# EAGLE board Mk4 Final a Panel score (EAGLE 9.0.1), part 8 of 24
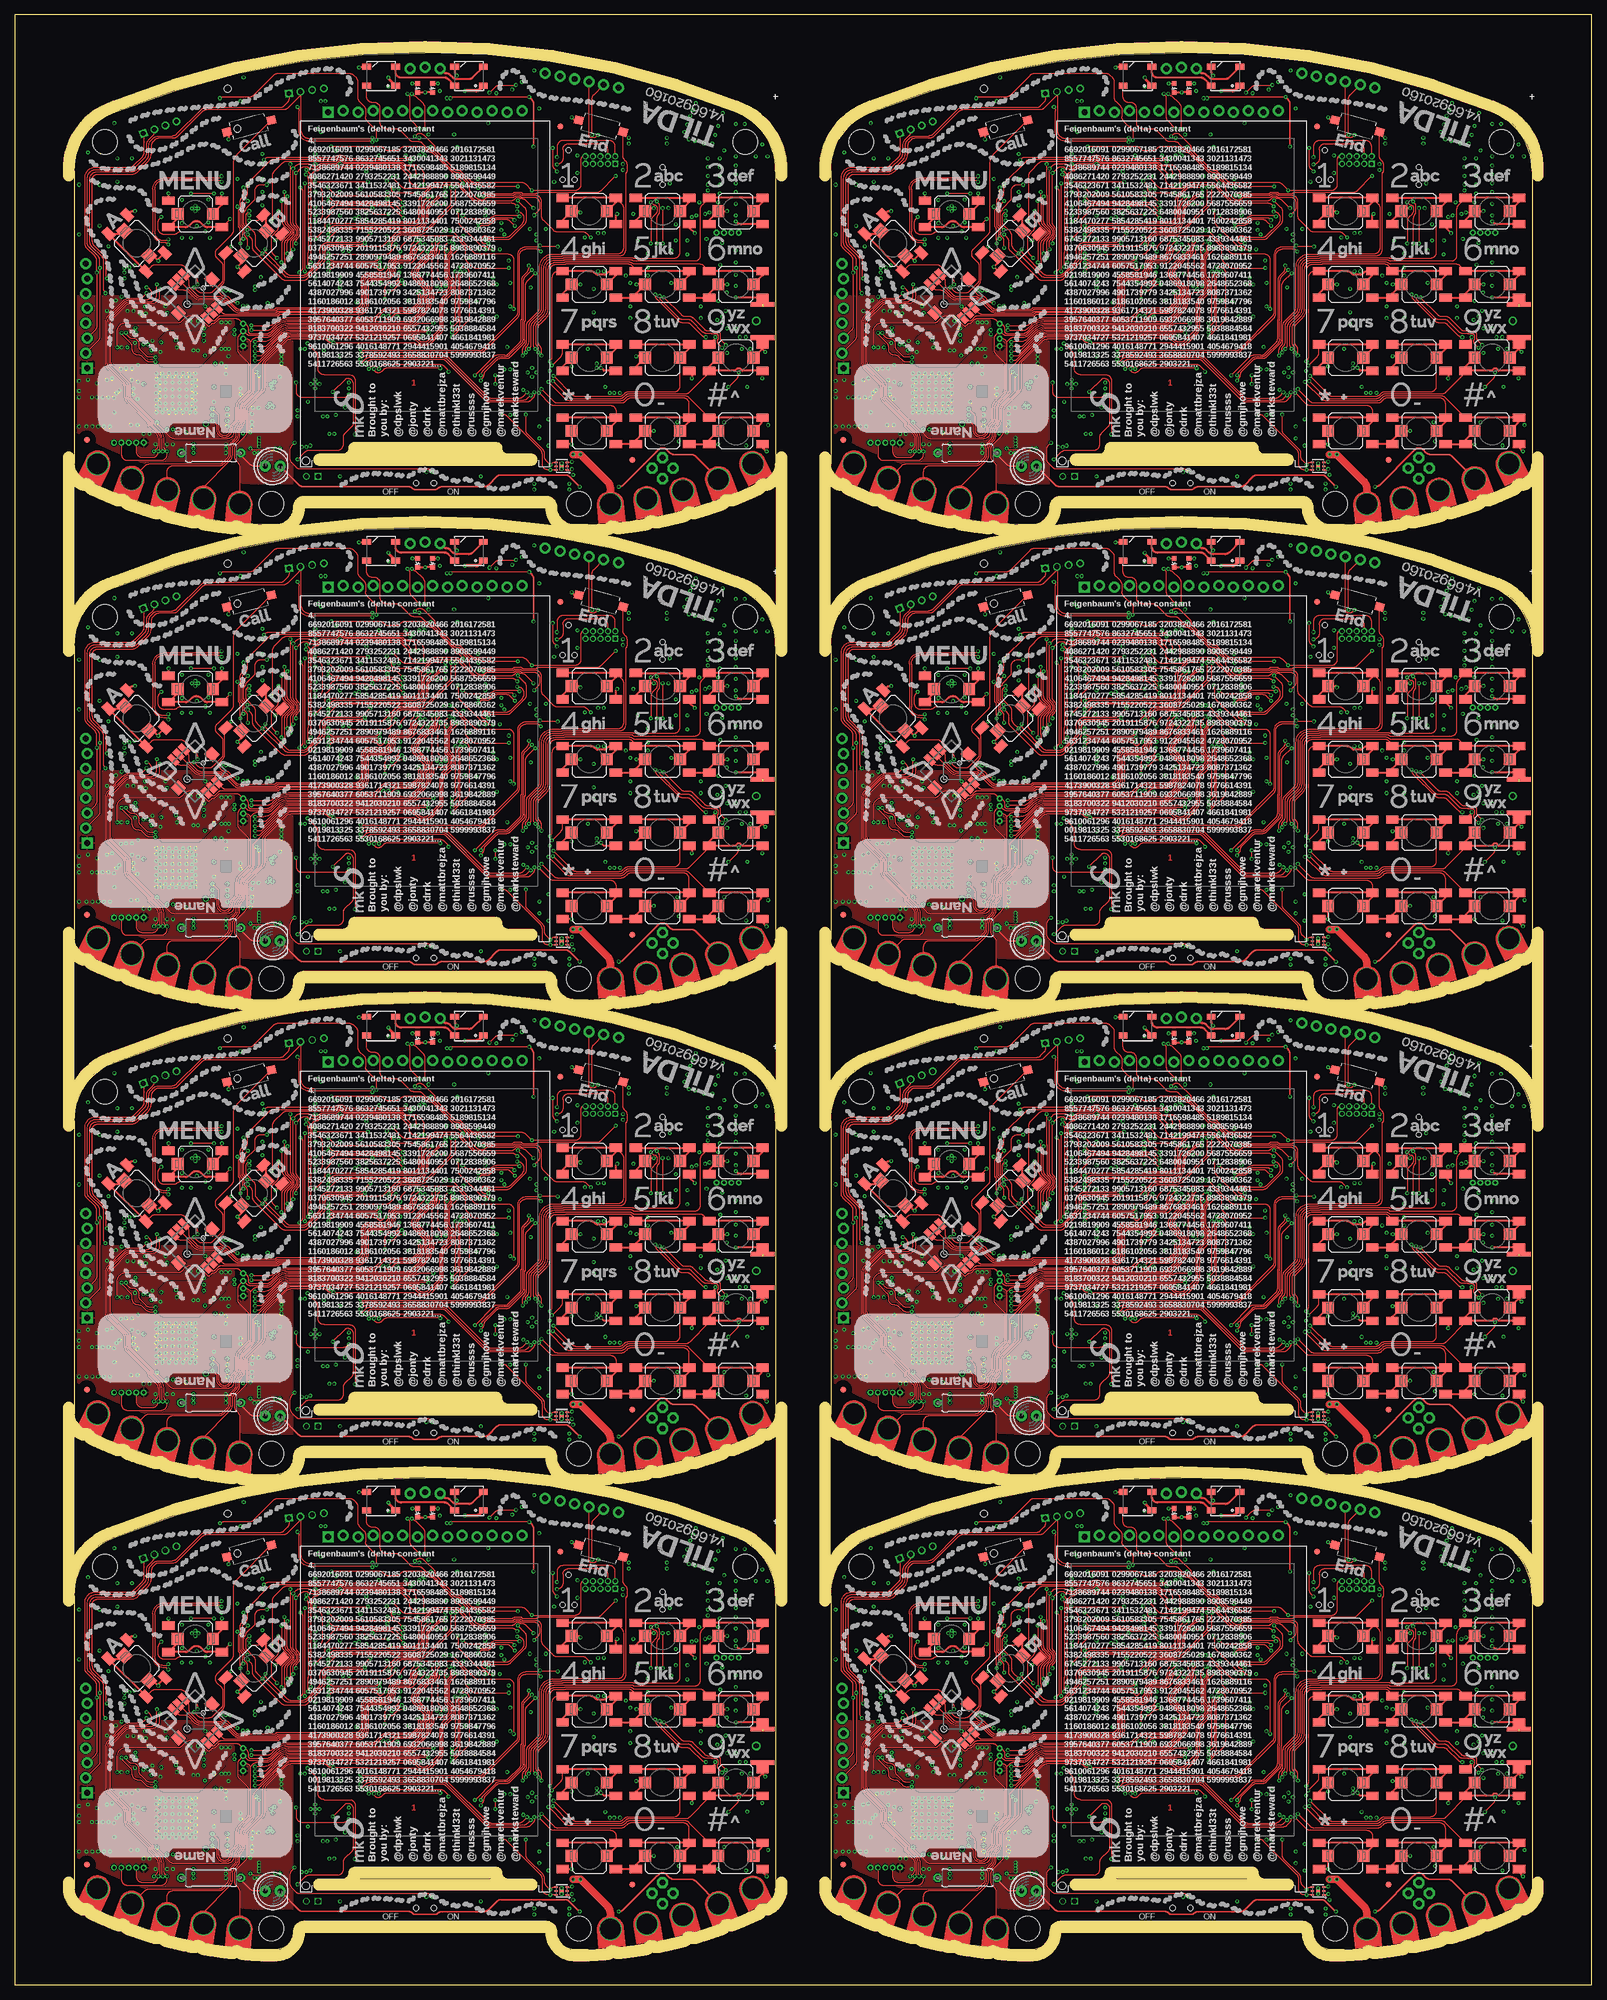
[diagram p0: board, top side]
## Tracks (layer width: path | path; a pad name or v marks a point on that pad's centre or on a via) (continued)
BT_ANT_L4 (continued)
  Bottom 0.4: L41.2 arc-10 C500.2 121.28,236.22 arc85 121,236.75 arc15 ANT10.1
BT_ANT_L5
  Bottom 0.4: L50.2 arc-10 C608.2 250.28,236.22 arc85 250,236.75 arc15 ANT12.1
BT_ANT_L6
  Bottom 0.4: L59.2 arc-10 C716.2 121.28,317.22 arc85 121,317.75 arc15 ANT14.1
BT_ANT_L7
  Bottom 0.4: L68.2 arc-10 C824.2 250.28,317.22 arc85 250,317.75 arc15 ANT16.1
BTN_1  (via drill 0.3)
  Top 0.2: S1.B2 103.61,60.69 arc-45 103.9,59.99 103.9,53.25 arc-90 102.9,52.25 93.31,52.25 93.23,52.17 91.8,52.17 arc90 89.55,49.92 89.55,43.09 arc-45 89.26,42.38 87.62,40.74 arc45 87.33,40.04 87.33,37.31 arc-45 87.03,36.61 86.94,36.52 arc45 86.65,35.81 v86.65,34.85
  Top 0.3: S1.2 102.55,61.05 S1.B2 S1.B1
  Bottom 0.15: IC4.1 87,34.42 arc45 86.94,34.56 v86.65,34.85
BTN_2  (via drill 0.3)
  Top 0.2: S2.2 113.5,52.5 arc-90 112.5,51.5 105.48,51.5 105.44,51.55 93.6,51.55 93.53,51.48 92,51.48 arc90 90.25,49.73 90.25,43.01 arc-45 89.81,41.95 88.39,40.53 arc45 88.1,39.82 88.1,36.81 arc-45 87.81,36.11 v87.7,36
  Top 0.3: S2.2 115.05,61.05 S2.B2 S2.B1
  Bottom 0.15: IC4.3 88,35.29 arc45 v87.71,35.99 v87.7,36
BTN_3  (via drill 0.3)
  Top 0.2: S3.B1 117.29,60.59 arc45 117,59.89 117,52 arc-90 116,51 105.57,51 arc-45 105.43,51.06 105.35,51.14 arc45 105.21,51.2 93.75,51.2 93.67,51.12 92.1,51.12 arc90 90.6,49.62 90.6,42.97 arc-45 90.09,41.73 88.79,40.43 arc45 88.5,39.73 88.5,36.71 arc45 v88.79,36.01 v88.8,36
  Top 0.3: S3.2 127.55,61.05 S3.B2 S3.B1
  Bottom 0.15: IC4.4 88.5,35.29 arc-45 v88.79,35.99 v88.8,36
BTN_4  (via drill 0.3)
  Top 0.2: S4.B1 92.7,49.25 arc90 91.7,48.25 91.7,37.2 91.7,37 91.7,34.71 arc-45 91.41,34.01 v91.3,33.9
  Top 0.3: S4.2 102.55,48.55 S4.B2 101.76,49.25 arc45 101.06,48.96 100.89,48.8 arc-45 100.54,48.65 99.46,48.65 arc-45 99.11,48.8 98.94,48.96 arc45 98.24,49.25 S4.B1
  Bottom 0.15: IC4.7 90.65,33.25 v91.3,33.9
BTN_5  (via drill 0.3)
  Top 0.2: S5.B1 105.95,49.55 105.29,50.21 arc45 104.59,50.5 94.03,50.5 93.96,50.42 92.35,50.42 arc90 91.35,49.42 91.35,42.93 arc-45 90.69,41.34 89.59,40.24 arc45 89.3,39.54 89.3,37.19 arc45 89.59,36.48 arc-45 89.85,35.86 v89.85,34.85
  Top 0.3: S5.2 115.05,48.55 S5.B2 S5.B1
  Bottom 0.15: IC4.6 89.5,34.29 arc-45 89.65,34.65 v89.85,34.85
BTN_6  (via drill 0.3)
  Top 0.2: S6.B1 117.49,50.21 arc45 116.79,50.5 105.58,50.5 arc-45 105.44,50.56 arc45 104.73,50.85 93.89,50.85 93.81,50.77 92.25,50.77 arc90 91,49.52 91,42.97 arc-45 90.41,41.56 89.19,40.34 arc45 88.9,39.63 88.9,37.09 arc45 89.19,36.39 arc-45 89.35,36.01 89.35,35.77 89.3,35.72 v89.3,35.4
  Top 0.3: S6.2 127.55,48.55 S6.B2 S6.B1
  Bottom 0.15: IC4.5 89,34.69 arc-45 v89.29,35.39 v89.3,35.4
BTN_7  (via drill 0.3)
  Top 0.2: v91.63,33.17 93.16,34.7 arc45 93.45,35.4 S7.B1
  Top 0.3: S7.2 102.55,36.05 S7.B2 S7.B1
  Bottom 0.15: IC4.8 90.97,32.75 91.02,32.8 arc45 91.43,32.97 v91.63,33.17
BTN_8  (via drill 0.3)
  Top 0.2: S8.2 113.5,29.7 arc-90 112.5,28.7 104.71,28.7 arc45 104.01,28.41 103.79,28.19 arc-45 103.09,27.9 97.7,27.9 95.81,27.9 arc-45 95.11,28.19 v91.9,31.4
  Top 0.3: S8.2 115.05,36.05 S8.B2 S8.B1
  Bottom 0.15: IC4.10 91.01,31.75 91.03,31.73 91.16,31.73 arc-45 91.87,31.43 v91.9,31.4
BTN_9  (via drill 0.3)
  Top 0.2: v91.8,30.5 94.46,27.84 arc45 95.16,27.55 103.23,27.55 arc45 103.94,27.84 104.1,28.01 arc-45 104.81,28.3 114.39,28.3 arc45 115.09,28.59 118.45,31.95 S9.B2
  Top 0.3: S9.2 118.45,32.95 S9.B2 122.9,32.25 123.25,32.6 123.75,32.6 124.1,32.25 S9.B1
  Bottom 0.15: IC4.11 90.64,31.25 arc-45 91.34,30.96 v91.8,30.5
BTN_10  (via drill 0.3)
  Top 0.2: S10.B2 102.55,25.4 arc90 101.55,26.4 91.91,26.4 arc-45 91.21,26.69 v89.4,28.5
  Top 0.3: S10.2 102.55,23.55 S10.B2 S10.B1
  Bottom 0.15: IC4.14 89,29.31 arc45 89.15,28.95 89.26,28.84 arc-45 v89.4,28.5
BTN_11  (via drill 0.3)
  Top 0.2: S11.B2 115.05,26.6 arc90 114.05,27.6 105.11,27.6 arc45 104.41,27.31 104.19,27.09 arc-45 103.49,26.8 92.61,26.8 arc-45 91.91,27.09 v89.85,29.15
  Top 0.3: S11.2 115.05,23.55 S11.B2 S11.B1 | S11.B1 105.75,24.25 105.5,24 105.7,24 S11.B1
  Bottom 0.15: IC4.13 89.5,29.5 v89.85,29.15
BTN_12  (via drill 0.3)
  Top 0.2: S12.B1 115.04,27.66 arc45 114.34,27.95 104.95,27.95 arc45 104.25,27.66 104.08,27.49 arc-45 103.38,27.2 94.61,27.2 arc-45 93.91,27.49 v91.05,30.35
  Top 0.3: S12.2 127.26,23.26 arc45 127.55,23.96 S12.B2 S12.B1
  Bottom 0.15: IC4.12 90.65,30.75 v91.05,30.35
BTN_13  (via drill 0.3)
  Top 0.2: S21.B2 232.61,60.69 arc-45 232.9,59.99 232.9,53.25 arc-90 231.9,52.25 222.31,52.25 222.24,52.17 220.8,52.17 arc90 218.55,49.92 218.55,43.09 arc-45 218.26,42.38 216.62,40.74 arc45 216.32,40.04 216.32,37.31 arc-45 216.03,36.61 215.94,36.52 arc45 215.65,35.81 v215.65,34.85
  Top 0.3: S21.2 231.55,61.05 S21.B2 S21.B1
  Bottom 0.15: IC31.1 216,34.42 arc45 215.94,34.56 v215.65,34.85
BTN_14  (via drill 0.3)
  Top 0.2: S26.2 242.5,52.5 arc-90 241.5,51.5 234.49,51.5 234.44,51.55 222.6,51.55 222.53,51.48 221,51.48 arc90 219.25,49.73 219.25,43.01 arc-45 218.81,41.95 217.39,40.53 arc45 217.1,39.82 217.1,36.81 arc-45 216.81,36.11 v216.7,36
  Top 0.3: S26.2 244.05,61.05 S26.B2 S26.B1
  Bottom 0.15: IC31.3 217,35.29 arc45 v216.71,35.99 v216.7,36
BTN_15  (via drill 0.3)
  Top 0.2: S30.B1 246.29,60.59 arc45 246,59.89 246,52 arc-90 245,51 234.57,51 arc-45 234.43,51.06 234.35,51.14 arc45 234.21,51.2 222.75,51.2 222.67,51.12 221.1,51.12 arc90 219.6,49.62 219.6,42.97 arc-45 219.09,41.73 217.79,40.43 arc45 217.5,39.73 217.5,36.71 arc45 v217.79,36.01 v217.8,36
  Top 0.3: S30.2 256.55,61.05 S30.B2 S30.B1
  Bottom 0.15: IC31.4 217.5,35.29 arc-45 v217.79,35.99 v217.8,36
BTN_16  (via drill 0.3)
  Top 0.2: S25.B2 231.55,25.4 arc90 230.55,26.4 220.91,26.4 arc-45 220.21,26.69 v218.4,28.5
  Top 0.3: S25.2 231.55,23.55 S25.B2 S25.B1
  Bottom 0.15: IC31.14 218,29.31 arc45 218.15,28.95 218.26,28.84 arc-45 v218.4,28.5
BTN_17  (via drill 0.3)
  Top 0.2: S27.B1 234.95,49.55 234.29,50.21 arc45 233.59,50.5 223.03,50.5 222.96,50.42 221.35,50.42 arc90 220.35,49.42 220.35,42.93 arc-45 219.69,41.34 218.59,40.24 arc45 218.3,39.54 218.3,37.19 arc45 218.59,36.48 arc-45 218.85,35.86 v218.85,34.85
  Top 0.3: S27.2 244.05,48.55 S27.B2 S27.B1
  Bottom 0.15: IC31.6 218.5,34.29 arc-45 218.65,34.65 v218.85,34.85
BTN_18  (via drill 0.3)
  Top 0.2: S28.2 242.5,29.7 arc-90 241.5,28.7 233.71,28.7 arc45 233.01,28.41 232.79,28.19 arc-45 232.09,27.9 226.7,27.9 224.81,27.9 arc-45 224.11,28.19 v220.9,31.4
  Top 0.3: S28.2 244.05,36.05 S28.B2 S28.B1
  Bottom 0.15: IC31.10 220.01,31.75 220.03,31.73 220.16,31.73 arc-45 220.87,31.43 v220.9,31.4
BTN_19  (via drill 0.3)
  Top 0.2: S29.B2 244.05,26.6 arc90 243.05,27.6 234.11,27.6 arc45 233.41,27.31 233.19,27.09 arc-45 232.49,26.8 221.61,26.8 arc-45 220.91,27.09 v218.85,29.15
  Top 0.3: S29.2 244.05,23.55 S29.B2 S29.B1 | S29.B1 234.75,24.25 234.5,24 234.7,24 S29.B1
  Bottom 0.15: IC31.13 218.5,29.5 v218.85,29.15
BTN_20  (via drill 0.3)
  Top 0.2: S31.B1 246.49,50.21 arc45 245.79,50.5 234.58,50.5 arc-45 234.44,50.56 arc45 233.73,50.85 222.89,50.85 222.81,50.77 221.25,50.77 arc90 220,49.52 220,42.97 arc-45 219.41,41.56 218.19,40.34 arc45 217.9,39.63 217.9,37.09 arc45 218.19,36.39 arc-45 218.35,36.01 218.35,35.77 218.3,35.72 v218.3,35.4
  Top 0.3: S31.2 256.55,48.55 S31.B2 S31.B1
  Bottom 0.15: IC31.5 218,34.69 arc-45 v218.29,35.39 v218.3,35.4
BTN_21  (via drill 0.3)
  Top 0.2: v220.8,30.5 223.46,27.84 arc45 224.16,27.55 232.23,27.55 arc45 232.94,27.84 233.1,28.01 arc-45 233.81,28.3 243.39,28.3 arc45 244.09,28.59 247.45,31.95 S32.B2
  Top 0.3: S32.2 247.45,32.95 S32.B2 251.9,32.25 252.25,32.6 252.75,32.6 253.1,32.25 S32.B1
  Bottom 0.15: IC31.11 219.64,31.25 arc-45 220.34,30.96 v220.8,30.5
BTN_22  (via drill 0.3)
  Top 0.2: S33.B1 244.04,27.66 arc45 243.34,27.95 233.95,27.95 arc45 233.25,27.66 233.08,27.49 arc-45 232.38,27.2 223.61,27.2 arc-45 222.91,27.49 v220.05,30.35
  Top 0.3: S33.2 256.26,23.26 arc45 256.55,23.96 S33.B2 S33.B1
  Bottom 0.15: IC31.12 219.65,30.75 v220.05,30.35
BTN_23  (via drill 0.3)
  Top 0.2: S23.B1 221.7,49.25 arc90 220.7,48.25 220.7,37.2 220.7,37 220.7,34.71 arc-45 220.41,34.01 v220.3,33.9
  Top 0.3: S23.2 231.55,48.55 S23.B2 230.76,49.25 arc45 230.06,48.96 229.9,48.8 arc-45 229.54,48.65 228.46,48.65 arc-45 228.1,48.8 227.94,48.96 arc45 227.24,49.25 S23.B1
  Bottom 0.15: IC31.7 219.65,33.25 v220.3,33.9
BTN_24  (via drill 0.3)
  Top 0.2: v220.63,33.17 222.16,34.7 arc45 222.45,35.4 S24.B1
  Top 0.3: S24.2 231.55,36.05 S24.B2 S24.B1
  Bottom 0.15: IC31.8 219.97,32.75 220.02,32.8 arc45 220.43,32.97 v220.63,33.17
BTN_25  (via drill 0.3)
  Top 0.2: S43.B2 103.61,141.69 arc-45 103.9,140.99 103.9,134.25 arc-90 102.9,133.25 93.31,133.25 93.23,133.18 91.8,133.18 arc90 89.55,130.93 89.55,124.09 arc-45 89.26,123.38 87.62,121.74 arc45 87.33,121.04 87.33,118.31 arc-45 87.03,117.61 86.94,117.52 arc45 86.65,116.81 v86.65,115.85
  Top 0.3: S43.2 102.55,142.05 S43.B2 S43.B1
  Bottom 0.15: IC49.1 87,115.42 arc45 86.94,115.56 v86.65,115.85
BTN_26  (via drill 0.3)
  Top 0.2: S47.2 113.5,133.5 arc-90 112.5,132.5 105.48,132.5 105.44,132.55 93.6,132.55 93.53,132.47 92,132.47 arc90 90.25,130.72 90.25,124.01 arc-45 89.81,122.95 88.39,121.53 arc45 88.1,120.82 88.1,117.81 arc-45 87.81,117.11 v87.7,117
  Top 0.3: S47.2 115.05,142.05 S47.B2 S47.B1
  Bottom 0.15: IC49.3 88,116.29 arc45 v87.71,116.99 v87.7,117
BTN_27  (via drill 0.3)
  Top 0.2: S51.B1 117.29,141.59 arc45 117,140.89 117,133 arc-90 116,132 105.57,132 arc-45 105.43,132.06 105.35,132.14 arc45 105.21,132.2 93.75,132.2 93.67,132.12 92.1,132.12 arc90 90.6,130.62 90.6,123.97 arc-45 90.09,122.73 88.79,121.43 arc45 88.5,120.73 88.5,117.71 arc45 v88.79,117.01 v88.8,117
  Top 0.3: S51.2 127.55,142.05 S51.B2 S51.B1
  Bottom 0.15: IC49.4 88.5,116.29 arc-45 v88.79,116.99 v88.8,117
BTN_28  (via drill 0.3)
  Top 0.2: S46.B2 102.55,106.4 arc90 101.55,107.4 91.91,107.4 arc-45 91.21,107.69 v89.4,109.5
  Top 0.3: S46.2 102.55,104.55 S46.B2 S46.B1
  Bottom 0.15: IC49.14 89,110.31 arc45 89.15,109.95 89.26,109.84 arc-45 v89.4,109.5
BTN_29  (via drill 0.3)
  Top 0.2: S48.B1 105.95,130.55 105.29,131.21 arc45 104.59,131.5 94.03,131.5 93.96,131.43 92.35,131.43 arc90 91.35,130.43 91.35,123.93 arc-45 90.69,122.34 89.59,121.24 arc45 89.3,120.54 89.3,118.19 arc45 89.59,117.48 arc-45 89.85,116.86 v89.85,115.85
  Top 0.3: S48.2 115.05,129.55 S48.B2 S48.B1
  Bottom 0.15: IC49.6 89.5,115.29 arc-45 89.65,115.65 v89.85,115.85
BTN_30  (via drill 0.3)
  Top 0.2: S49.2 113.5,110.7 arc-90 112.5,109.7 104.71,109.7 arc45 104.01,109.41 103.79,109.19 arc-45 103.09,108.9 97.7,108.9 95.81,108.9 arc-45 95.11,109.19 v91.9,112.4
  Top 0.3: S49.2 115.05,117.05 S49.B2 S49.B1
  Bottom 0.15: IC49.10 91.01,112.75 91.03,112.72 91.16,112.72 arc-45 91.87,112.43 v91.9,112.4
BTN_31  (via drill 0.3)
  Top 0.2: S50.B2 115.05,107.6 arc90 114.05,108.6 105.11,108.6 arc45 104.41,108.31 104.19,108.09 arc-45 103.49,107.8 92.61,107.8 arc-45 91.91,108.09 v89.85,110.15
  Top 0.3: S50.2 115.05,104.55 S50.B2 S50.B1 | S50.B1 105.75,105.25 105.5,105 105.7,105 S50.B1
  Bottom 0.15: IC49.13 89.5,110.5 v89.85,110.15
BTN_32  (via drill 0.3)
  Top 0.2: S52.B1 117.49,131.21 arc45 116.79,131.5 105.58,131.5 arc-45 105.44,131.56 arc45 104.73,131.85 93.89,131.85 93.81,131.78 92.25,131.78 arc90 91,130.53 91,123.97 arc-45 90.41,122.56 89.19,121.34 arc45 88.9,120.63 88.9,118.09 arc45 89.19,117.39 arc-45 89.35,117.01 89.35,116.77 89.3,116.72 v89.3,116.4
  Top 0.3: S52.2 127.55,129.55 S52.B2 S52.B1
  Bottom 0.15: IC49.5 89,115.69 arc-45 v89.29,116.39 v89.3,116.4
BTN_33  (via drill 0.3)
  Top 0.2: v91.8,111.5 94.46,108.84 arc45 95.16,108.55 103.23,108.55 arc45 103.94,108.84 104.1,109.01 arc-45 104.81,109.3 114.39,109.3 arc45 115.09,109.59 118.45,112.95 S53.B2
  Top 0.3: S53.2 118.45,113.95 S53.B2 122.9,113.25 123.25,113.6 123.75,113.6 124.1,113.25 S53.B1
  Bottom 0.15: IC49.11 90.64,112.25 arc-45 91.34,111.96 v91.8,111.5
BTN_34  (via drill 0.3)
  Top 0.2: S54.B1 115.04,108.66 arc45 114.34,108.95 104.95,108.95 arc45 104.25,108.66 104.08,108.49 arc-45 103.38,108.2 94.61,108.2 arc-45 93.91,108.49 v91.05,111.35
  Top 0.3: S54.2 127.26,104.26 arc45 127.55,104.96 S54.B2 S54.B1
  Bottom 0.15: IC49.12 90.65,111.75 v91.05,111.35
BTN_35  (via drill 0.3)
  Top 0.2: S44.B1 92.7,130.25 arc90 91.7,129.25 91.7,118.2 91.7,118 91.7,115.71 arc-45 91.41,115.01 v91.3,114.9
  Top 0.3: S44.2 102.55,129.55 S44.B2 101.76,130.25 arc45 101.06,129.96 100.89,129.8 arc-45 100.54,129.65 99.46,129.65 arc-45 99.11,129.8 98.94,129.96 arc45 98.24,130.25 S44.B1
  Bottom 0.15: IC49.7 90.65,114.25 v91.3,114.9
BTN_36  (via drill 0.3)
  Top 0.2: v91.63,114.17 93.16,115.7 arc45 93.45,116.4 S45.B1
  Top 0.3: S45.2 102.55,117.05 S45.B2 S45.B1
  Bottom 0.15: IC49.8 90.97,113.75 91.02,113.8 arc45 91.43,113.97 v91.63,114.17
BTN_37  (via drill 0.3)
  Top 0.2: S64.B2 232.61,141.69 arc-45 232.9,140.99 232.9,134.25 arc-90 231.9,133.25 222.31,133.25 222.24,133.18 220.8,133.18 arc90 218.55,130.93 218.55,124.09 arc-45 218.26,123.38 216.62,121.74 arc45 216.32,121.04 216.32,118.31 arc-45 216.03,117.61 215.94,117.52 arc45 215.65,116.81 v215.65,115.85
  Top 0.3: S64.2 231.55,142.05 S64.B2 S64.B1
  Bottom 0.15: IC67.1 216,115.42 arc45 215.94,115.56 v215.65,115.85
BTN_38  (via drill 0.3)
  Top 0.2: S68.2 242.5,133.5 arc-90 241.5,132.5 234.49,132.5 234.44,132.55 222.6,132.55 222.53,132.47 221,132.47 arc90 219.25,130.72 219.25,124.01 arc-45 218.81,122.95 217.39,121.53 arc45 217.1,120.82 217.1,117.81 arc-45 216.81,117.11 v216.7,117
  Top 0.3: S68.2 244.05,142.05 S68.B2 S68.B1
  Bottom 0.15: IC67.3 217,116.29 arc45 v216.71,116.99 v216.7,117
BTN_39  (via drill 0.3)
  Top 0.2: S72.B1 246.29,141.59 arc45 246,140.89 246,133 arc-90 245,132 234.57,132 arc-45 234.43,132.06 234.35,132.14 arc45 234.21,132.2 222.75,132.2 222.67,132.12 221.1,132.12 arc90 219.6,130.62 219.6,123.97 arc-45 219.09,122.73 217.79,121.43 arc45 217.5,120.73 217.5,117.71 arc45 v217.79,117.01 v217.8,117
  Top 0.3: S72.2 256.55,142.05 S72.B2 S72.B1
  Bottom 0.15: IC67.4 217.5,116.29 arc-45 v217.79,116.99 v217.8,117
BTN_40  (via drill 0.3)
  Top 0.2: S67.B2 231.55,106.4 arc90 230.55,107.4 220.91,107.4 arc-45 220.21,107.69 v218.4,109.5
  Top 0.3: S67.2 231.55,104.55 S67.B2 S67.B1
  Bottom 0.15: IC67.14 218,110.31 arc45 218.15,109.95 218.26,109.84 arc-45 v218.4,109.5
BTN_41  (via drill 0.3)
  Top 0.2: S69.B1 234.95,130.55 234.29,131.21 arc45 233.59,131.5 223.03,131.5 222.96,131.43 221.35,131.43 arc90 220.35,130.43 220.35,123.93 arc-45 219.69,122.34 218.59,121.24 arc45 218.3,120.54 218.3,118.19 arc45 218.59,117.48 arc-45 218.85,116.86 v218.85,115.85
  Top 0.3: S69.2 244.05,129.55 S69.B2 S69.B1
  Bottom 0.15: IC67.6 218.5,115.29 arc-45 218.65,115.65 v218.85,115.85
BTN_42  (via drill 0.3)
  Top 0.2: S70.2 242.5,110.7 arc-90 241.5,109.7 233.71,109.7 arc45 233.01,109.41 232.79,109.19 arc-45 232.09,108.9 226.7,108.9 224.81,108.9 arc-45 224.11,109.19 v220.9,112.4
  Top 0.3: S70.2 244.05,117.05 S70.B2 S70.B1
  Bottom 0.15: IC67.10 220.01,112.75 220.03,112.72 220.16,112.72 arc-45 220.87,112.43 v220.9,112.4
BTN_43  (via drill 0.3)
  Top 0.2: S71.B2 244.05,107.6 arc90 243.05,108.6 234.11,108.6 arc45 233.41,108.31 233.19,108.09 arc-45 232.49,107.8 221.61,107.8 arc-45 220.91,108.09 v218.85,110.15
  Top 0.3: S71.2 244.05,104.55 S71.B2 S71.B1 | S71.B1 234.75,105.25 234.5,105 234.7,105 S71.B1
  Bottom 0.15: IC67.13 218.5,110.5 v218.85,110.15
BTN_44  (via drill 0.3)
  Top 0.2: S73.B1 246.49,131.21 arc45 245.79,131.5 234.58,131.5 arc-45 234.44,131.56 arc45 233.73,131.85 222.89,131.85 222.81,131.78 221.25,131.78 arc90 220,130.53 220,123.97 arc-45 219.41,122.56 218.19,121.34 arc45 217.9,120.63 217.9,118.09 arc45 218.19,117.39 arc-45 218.35,117.01 218.35,116.77 218.3,116.72 v218.3,116.4
  Top 0.3: S73.2 256.55,129.55 S73.B2 S73.B1
  Bottom 0.15: IC67.5 218,115.69 arc-45 v218.29,116.39 v218.3,116.4
BTN_45  (via drill 0.3)
  Top 0.2: v220.8,111.5 223.46,108.84 arc45 224.16,108.55 232.23,108.55 arc45 232.94,108.84 233.1,109.01 arc-45 233.81,109.3 243.39,109.3 arc45 244.09,109.59 247.45,112.95 S74.B2
  Top 0.3: S74.2 247.45,113.95 S74.B2 251.9,113.25 252.25,113.6 252.75,113.6 253.1,113.25 S74.B1
  Bottom 0.15: IC67.11 219.64,112.25 arc-45 220.34,111.96 v220.8,111.5
BTN_46  (via drill 0.3)
  Top 0.2: S75.B1 244.04,108.66 arc45 243.34,108.95 233.95,108.95 arc45 233.25,108.66 233.08,108.49 arc-45 232.38,108.2 223.61,108.2 arc-45 222.91,108.49 v220.05,111.35
  Top 0.3: S75.2 256.26,104.26 arc45 256.55,104.96 S75.B2 S75.B1
  Bottom 0.15: IC67.12 219.65,111.75 v220.05,111.35
BTN_47  (via drill 0.3)
  Top 0.2: S65.B1 221.7,130.25 arc90 220.7,129.25 220.7,118.2 220.7,118 220.7,115.71 arc-45 220.41,115.01 v220.3,114.9
  Top 0.3: S65.2 231.55,129.55 S65.B2 230.76,130.25 arc45 230.06,129.96 229.9,129.8 arc-45 229.54,129.65 228.46,129.65 arc-45 228.1,129.8 227.94,129.96 arc45 227.24,130.25 S65.B1
  Bottom 0.15: IC67.7 219.65,114.25 v220.3,114.9
BTN_48  (via drill 0.3)
  Top 0.2: v220.63,114.17 222.16,115.7 arc45 222.45,116.4 S66.B1
  Top 0.3: S66.2 231.55,117.05 S66.B2 S66.B1
  Bottom 0.15: IC67.8 219.97,113.75 220.02,113.8 arc45 220.43,113.97 v220.63,114.17
BTN_49  (via drill 0.3)
  Top 0.2: S85.B2 103.61,222.69 arc-45 103.9,221.99 103.9,215.25 arc-90 102.9,214.25 93.31,214.25 93.23,214.18 91.8,214.18 arc90 89.55,211.93 89.55,205.09 arc-45 89.26,204.38 87.62,202.74 arc45 87.33,202.04 87.33,199.31 arc-45 87.03,198.6 86.94,198.52 arc45 86.65,197.81 v86.65,196.85
  Top 0.3: S85.2 102.55,223.05 S85.B2 S85.B1
  Bottom 0.15: IC85.1 87,196.42 arc45 86.94,196.56 v86.65,196.85
BTN_50  (via drill 0.3)
  Top 0.2: S89.2 113.5,214.5 arc-90 112.5,213.5 105.48,213.5 105.44,213.55 93.6,213.55 93.53,213.47 92,213.47 arc90 90.25,211.72 90.25,205.01 arc-45 89.81,203.95 88.39,202.53 arc45 88.1,201.82 88.1,198.81 arc-45 87.81,198.11 v87.7,198
  Top 0.3: S89.2 115.05,223.05 S89.B2 S89.B1
  Bottom 0.15: IC85.3 88,197.29 arc45 v87.71,197.99 v87.7,198
BTN_51  (via drill 0.3)
  Top 0.2: S93.B1 117.29,222.59 arc45 117,221.89 117,214 arc-90 116,213 105.57,213 arc-45 105.43,213.06 105.35,213.14 arc45 105.21,213.2 93.75,213.2 93.67,213.12 92.1,213.12 arc90 90.6,211.62 90.6,204.97 arc-45 90.09,203.73 88.79,202.43 arc45 88.5,201.73 88.5,198.71 arc45 v88.79,198.01 v88.8,198
  Top 0.3: S93.2 127.55,223.05 S93.B2 S93.B1
  Bottom 0.15: IC85.4 88.5,197.29 arc-45 v88.79,197.99 v88.8,198
BTN_52  (via drill 0.3)
  Top 0.2: S88.B2 102.55,187.4 arc90 101.55,188.4 91.91,188.4 arc-45 91.21,188.69 v89.4,190.5
  Top 0.3: S88.2 102.55,185.55 S88.B2 S88.B1
  Bottom 0.15: IC85.14 89,191.31 arc45 89.15,190.95 89.26,190.84 arc-45 v89.4,190.5
BTN_53  (via drill 0.3)
  Top 0.2: S90.B1 105.95,211.55 105.29,212.21 arc45 104.59,212.5 94.03,212.5 93.96,212.43 92.35,212.43 arc90 91.35,211.43 91.35,204.93 arc-45 90.69,203.34 89.59,202.24 arc45 89.3,201.54 89.3,199.19 arc45 89.59,198.48 arc-45 89.85,197.86 v89.85,196.85
  Top 0.3: S90.2 115.05,210.55 S90.B2 S90.B1
  Bottom 0.15: IC85.6 89.5,196.29 arc-45 89.65,196.65 v89.85,196.85
BTN_54  (via drill 0.3)
  Top 0.2: S91.2 113.5,191.7 arc-90 112.5,190.7 104.71,190.7 arc45 104.01,190.41 103.79,190.19 arc-45 103.09,189.9 97.7,189.9 95.81,189.9 arc-45 95.11,190.19 v91.9,193.4
  Top 0.3: S91.2 115.05,198.05 S91.B2 S91.B1
  Bottom 0.15: IC85.10 91.01,193.75 91.03,193.72 91.16,193.72 arc-45 91.87,193.43 v91.9,193.4
BTN_55  (via drill 0.3)
  Top 0.2: S92.B2 115.05,188.6 arc90 114.05,189.6 105.11,189.6 arc45 104.41,189.31 104.19,189.09 arc-45 103.49,188.8 92.61,188.8 arc-45 91.91,189.09 v89.85,191.15
  Top 0.3: S92.2 115.05,185.55 S92.B2 S92.B1 | S92.B1 105.75,186.25 105.5,186 105.7,186 S92.B1
  Bottom 0.15: IC85.13 89.5,191.5 v89.85,191.15
BTN_56  (via drill 0.3)
  Top 0.2: S94.B1 117.49,212.21 arc45 116.79,212.5 105.58,212.5 arc-45 105.44,212.56 arc45 104.73,212.85 93.89,212.85 93.81,212.78 92.25,212.78 arc90 91,211.53 91,204.97 arc-45 90.41,203.56 89.19,202.34 arc45 88.9,201.63 88.9,199.09 arc45 89.19,198.38 arc-45 89.35,198.01 89.35,197.77 89.3,197.72 v89.3,197.4
  Top 0.3: S94.2 127.55,210.55 S94.B2 S94.B1
  Bottom 0.15: IC85.5 89,196.69 arc-45 v89.29,197.39 v89.3,197.4
BTN_57  (via drill 0.3)
  Top 0.2: v91.8,192.5 94.46,189.84 arc45 95.16,189.55 103.23,189.55 arc45 103.94,189.84 104.1,190.01 arc-45 104.81,190.3 114.39,190.3 arc45 115.09,190.59 118.45,193.95 S95.B2
  Top 0.3: S95.2 118.45,194.95 S95.B2 122.9,194.25 123.25,194.6 123.75,194.6 124.1,194.25 S95.B1
  Bottom 0.15: IC85.11 90.64,193.25 arc-45 91.34,192.96 v91.8,192.5
BTN_58  (via drill 0.3)
  Top 0.2: S96.B1 115.04,189.66 arc45 114.34,189.95 104.95,189.95 arc45 104.25,189.66 104.08,189.49 arc-45 103.38,189.2 94.61,189.2 arc-45 93.91,189.49 v91.05,192.35
  Top 0.3: S96.2 127.26,185.26 arc45 127.55,185.96 S96.B2 S96.B1
  Bottom 0.15: IC85.12 90.65,192.75 v91.05,192.35
BTN_59  (via drill 0.3)
  Top 0.2: S86.B1 92.7,211.25 arc90 91.7,210.25 91.7,199.2 91.7,199 91.7,196.71 arc-45 91.41,196.01 v91.3,195.9
  Top 0.3: S86.2 102.55,210.55 S86.B2 101.76,211.25 arc45 101.06,210.96 100.89,210.8 arc-45 100.54,210.65 99.46,210.65 arc-45 99.11,210.8 98.94,210.96 arc45 98.24,211.25 S86.B1
  Bottom 0.15: IC85.7 90.65,195.25 v91.3,195.9
BTN_60  (via drill 0.3)
  Top 0.2: v91.63,195.17 93.16,196.7 arc45 93.45,197.4 S87.B1
  Top 0.3: S87.2 102.55,198.05 S87.B2 S87.B1
  Bottom 0.15: IC85.8 90.97,194.75 91.02,194.8 arc45 91.43,194.97 v91.63,195.17
BTN_61  (via drill 0.3)
  Top 0.2: S106.B2 232.61,222.69 arc-45 232.9,221.99 232.9,215.25 arc-90 231.9,214.25 222.31,214.25 222.24,214.18 220.8,214.18 arc90 218.55,211.93 218.55,205.09 arc-45 218.26,204.38 216.62,202.74 arc45 216.32,202.04 216.32,199.31 arc-45 216.03,198.6 215.94,198.52 arc45 215.65,197.81 v215.65,196.85
  Top 0.3: S106.2 231.55,223.05 S106.B2 S106.B1
  Bottom 0.15: IC103.1 216,196.42 arc45 215.94,196.56 v215.65,196.85
BTN_62  (via drill 0.3)
  Top 0.2: S110.2 242.5,214.5 arc-90 241.5,213.5 234.49,213.5 234.44,213.55 222.6,213.55 222.53,213.47 221,213.47 arc90 219.25,211.72 219.25,205.01 arc-45 218.81,203.95 217.39,202.53 arc45 217.1,201.82 217.1,198.81 arc-45 216.81,198.11 v216.7,198
  Top 0.3: S110.2 244.05,223.05 S110.B2 S110.B1
  Bottom 0.15: IC103.3 217,197.29 arc45 v216.71,197.99 v216.7,198
BTN_63  (via drill 0.3)
  Top 0.2: S114.B1 246.29,222.59 arc45 246,221.89 246,214 arc-90 245,213 234.57,213 arc-45 234.43,213.06 234.35,213.14 arc45 234.21,213.2 222.75,213.2 222.67,213.12 221.1,213.12 arc90 219.6,211.62 219.6,204.97 arc-45 219.09,203.73 217.79,202.43 arc45 217.5,201.73 217.5,198.71 arc45 v217.79,198.01 v217.8,198
  Top 0.3: S114.2 256.55,223.05 S114.B2 S114.B1
  Bottom 0.15: IC103.4 217.5,197.29 arc-45 v217.79,197.99 v217.8,198
BTN_64  (via drill 0.3)
  Top 0.2: S109.B2 231.55,187.4 arc90 230.55,188.4 220.91,188.4 arc-45 220.21,188.69 v218.4,190.5
  Top 0.3: S109.2 231.55,185.55 S109.B2 S109.B1
  Bottom 0.15: IC103.14 218,191.31 arc45 218.15,190.95 218.26,190.84 arc-45 v218.4,190.5
BTN_65  (via drill 0.3)
  Top 0.2: S111.B1 234.95,211.55 234.29,212.21 arc45 233.59,212.5 223.03,212.5 222.96,212.43 221.35,212.43 arc90 220.35,211.43 220.35,204.93 arc-45 219.69,203.34 218.59,202.24 arc45 218.3,201.54 218.3,199.19 arc45 218.59,198.48 arc-45 218.85,197.86 v218.85,196.85
  Top 0.3: S111.2 244.05,210.55 S111.B2 S111.B1
  Bottom 0.15: IC103.6 218.5,196.29 arc-45 218.65,196.65 v218.85,196.85
BTN_66  (via drill 0.3)
  Top 0.2: S112.2 242.5,191.7 arc-90 241.5,190.7 233.71,190.7 arc45 233.01,190.41 232.79,190.19 arc-45 232.09,189.9 226.7,189.9 224.81,189.9 arc-45 224.11,190.19 v220.9,193.4
  Top 0.3: S112.2 244.05,198.05 S112.B2 S112.B1
  Bottom 0.15: IC103.10 220.01,193.75 220.03,193.72 220.16,193.72 arc-45 220.87,193.43 v220.9,193.4
BTN_67  (via drill 0.3)
  Top 0.2: S113.B2 244.05,188.6 arc90 243.05,189.6 234.11,189.6 arc45 233.41,189.31 233.19,189.09 arc-45 232.49,188.8 221.61,188.8 arc-45 220.91,189.09 v218.85,191.15
  Top 0.3: S113.2 244.05,185.55 S113.B2 S113.B1 | S113.B1 234.75,186.25 234.5,186 234.7,186 S113.B1
  Bottom 0.15: IC103.13 218.5,191.5 v218.85,191.15
BTN_68  (via drill 0.3)
  Top 0.2: S115.B1 246.49,212.21 arc45 245.79,212.5 234.58,212.5 arc-45 234.44,212.56 arc45 233.73,212.85 222.89,212.85 222.81,212.78 221.25,212.78 arc90 220,211.53 220,204.97 arc-45 219.41,203.56 218.19,202.34 arc45 217.9,201.63 217.9,199.09 arc45 218.19,198.38 arc-45 218.35,198.01 218.35,197.77 218.3,197.72 v218.3,197.4
  Top 0.3: S115.2 256.55,210.55 S115.B2 S115.B1
  Bottom 0.15: IC103.5 218,196.69 arc-45 v218.29,197.39 v218.3,197.4
BTN_69  (via drill 0.3)
  Top 0.2: v220.8,192.5 223.46,189.84 arc45 224.16,189.55 232.23,189.55 arc45 232.94,189.84 233.1,190.01 arc-45 233.81,190.3 243.39,190.3 arc45 244.09,190.59 247.45,193.95 S116.B2
  Top 0.3: S116.2 247.45,194.95 S116.B2 251.9,194.25 252.25,194.6 252.75,194.6 253.1,194.25 S116.B1
  Bottom 0.15: IC103.11 219.64,193.25 arc-45 220.34,192.96 v220.8,192.5
BTN_70  (via drill 0.3)
  Top 0.2: S117.B1 244.04,189.66 arc45 243.34,189.95 233.95,189.95 arc45 233.25,189.66 233.08,189.49 arc-45 232.38,189.2 223.61,189.2 arc-45 222.91,189.49 v220.05,192.35